# KiCad board Duet3_MB_6HC.kicad_pcb (continued)
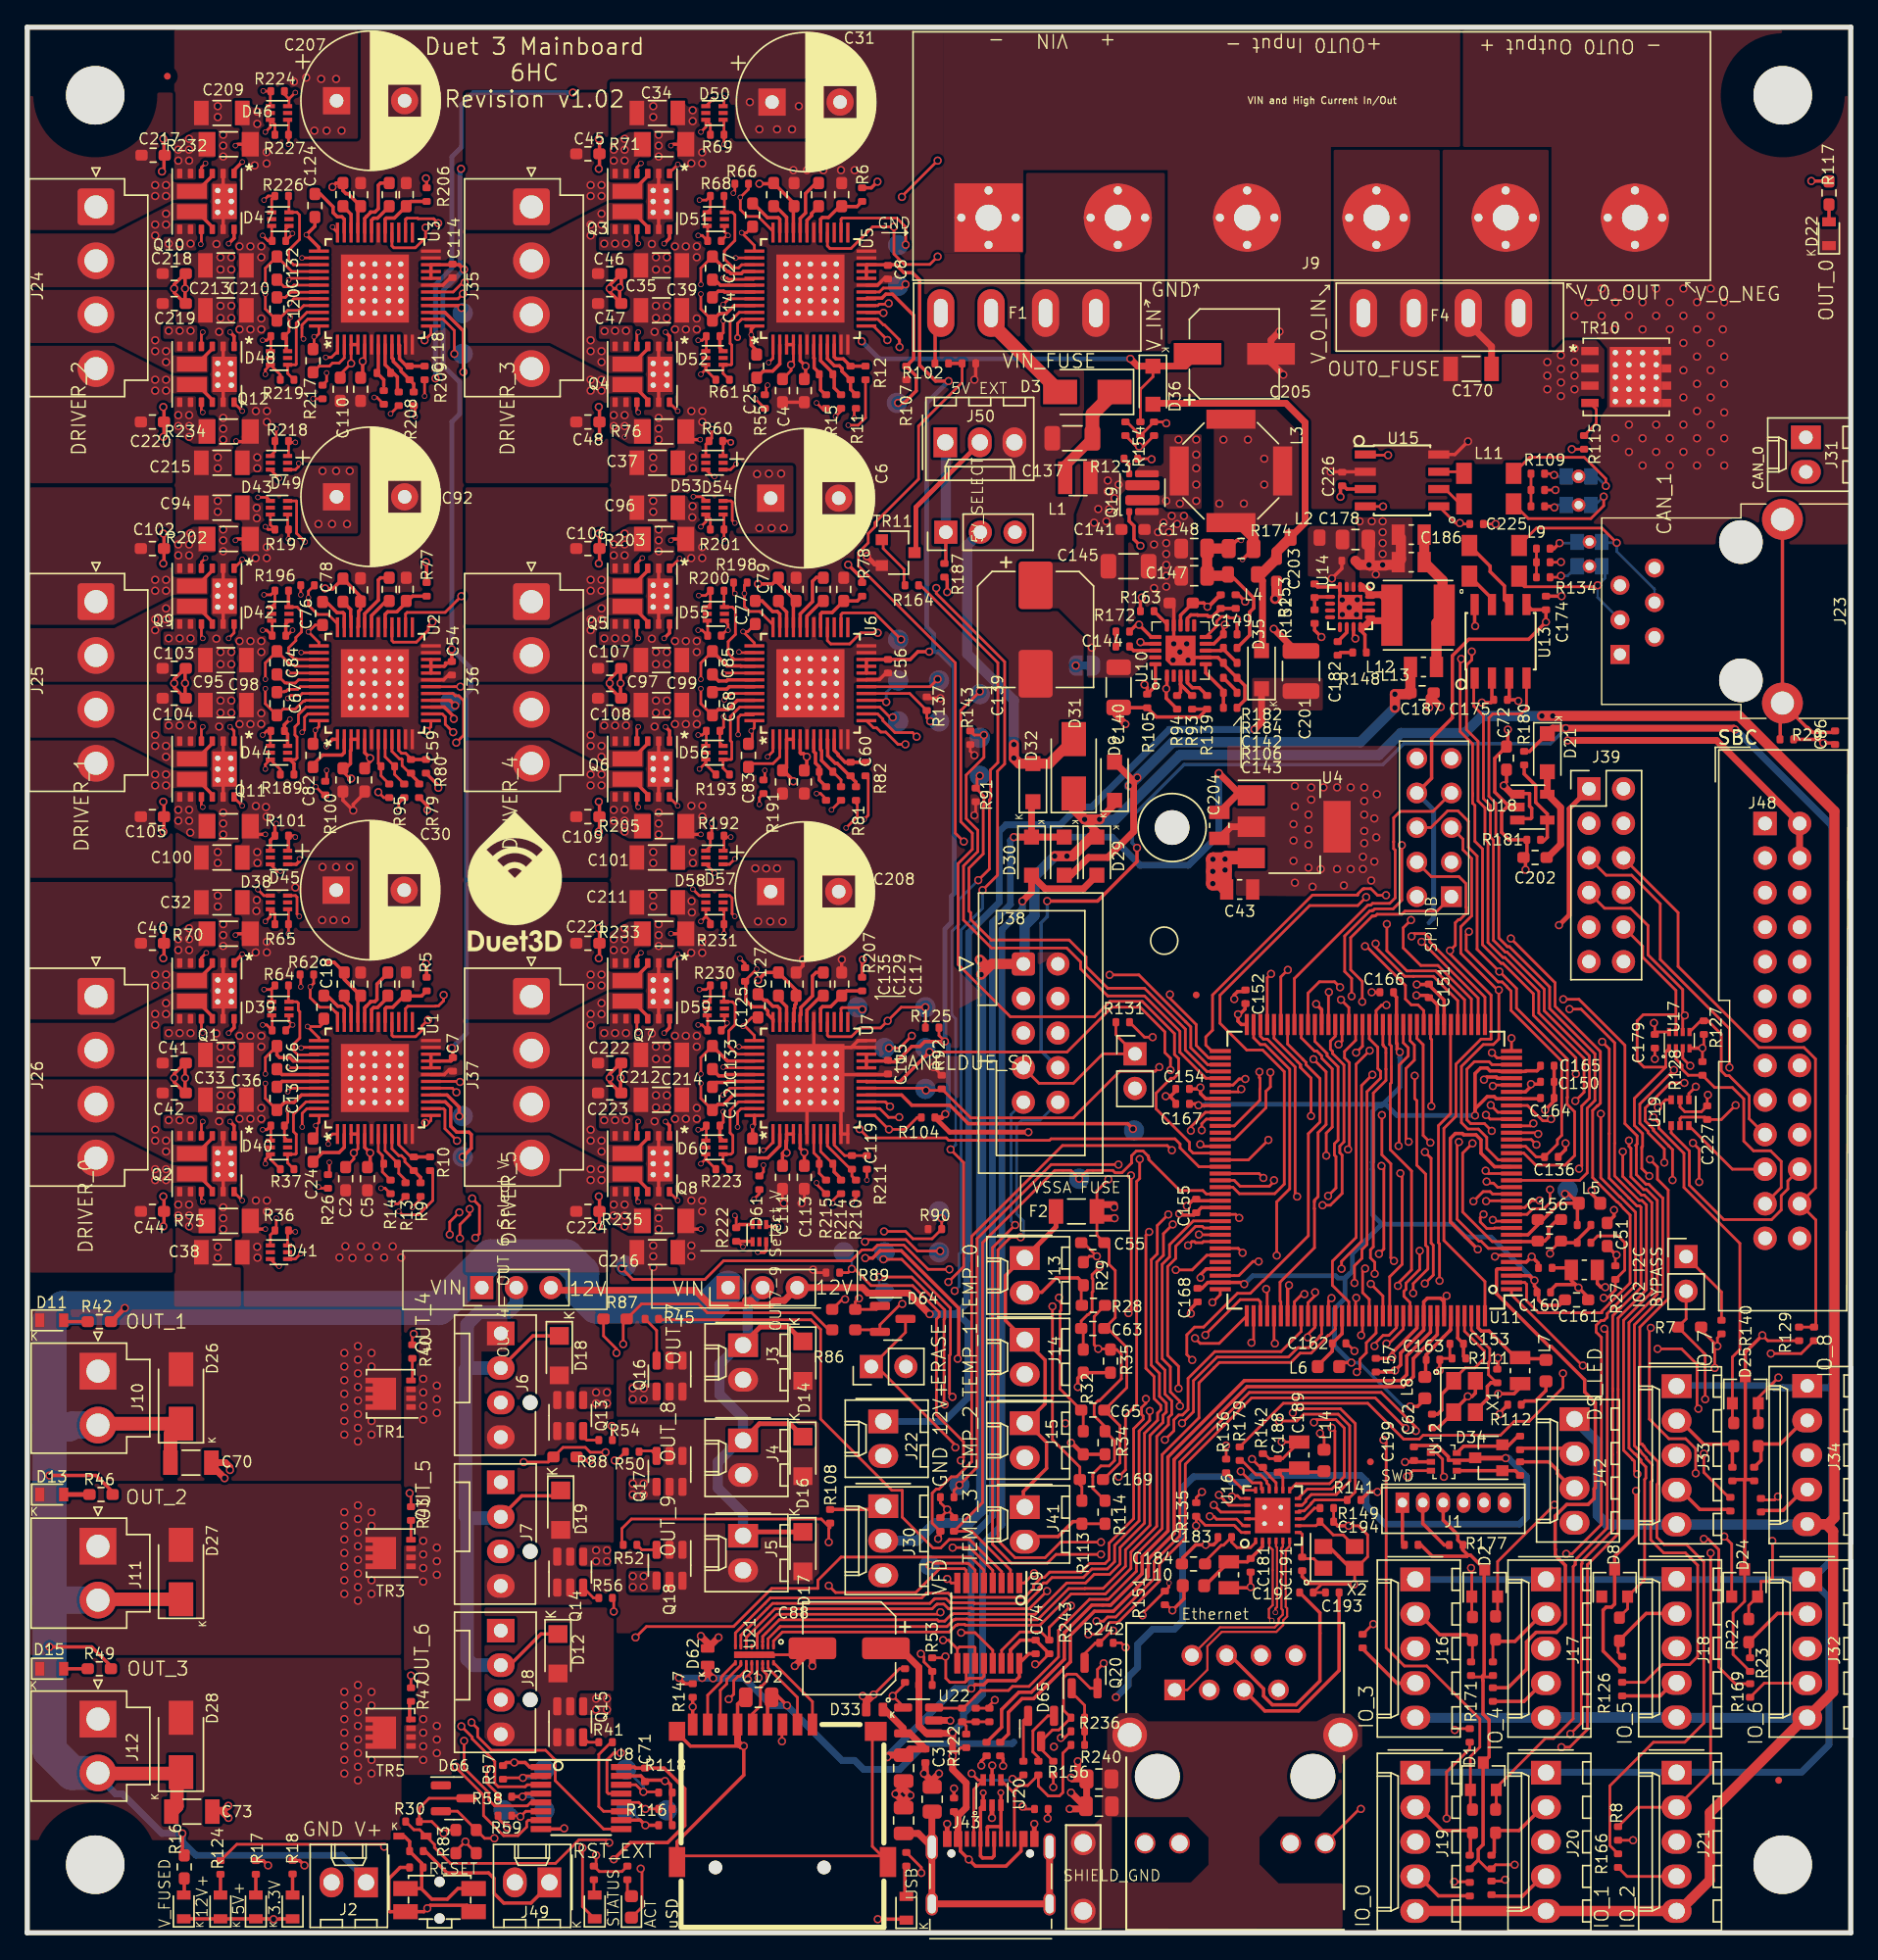
[diagram p0: board, top side]
## Placement (name value [footprint] x y rotation side) (continued)
J17  IO_4  [Wurth_61900511121-1x05_P2.54mm_Vertical(Molex_KK-254_AE-6410-05A_Compatibe)]  111.6 20.88 270 top
J18  IO_5  [Wurth_61900511121-1x05_P2.54mm_Vertical(Molex_KK-254_AE-6410-05A_Compatibe)]  121.2 20.9 270 top
J19  IO_0  [Wurth_61900511121-1x05_P2.54mm_Vertical(Molex_KK-254_AE-6410-05A_Compatibe)]  102 6.68 270 top
J20  IO_1  [Wurth_61900511121-1x05_P2.54mm_Vertical(Molex_KK-254_AE-6410-05A_Compatibe)]  111.6 6.68 270 top
J21  IO_2  [Wurth_61900511121-1x05_P2.54mm_Vertical(Molex_KK-254_AE-6410-05A_Compatibe)]  121.2 6.68 270 top
J22  GND 12V+  [Wurth_61900211121-1x02_P2.54mm_Vertical-(Molex_KK-254_AE-6410-02Acompatible)]  62.9 36.3 270 top
J23  CAN_1  [RJ11_6P6C_half_shield]  125.93 97.1 90 top
J24  DRIVER_2  [JST_VH_B4P-VH_1x04_P3.96mm_Vertical]  5.05 126.8 270 top
J25  DRIVER_1  [JST_VH_B4P-VH_1x04_P3.96mm_Vertical]  5.05 97.8 270 top
J26  DRIVER_0  [JST_VH_B4P-VH_1x04_P3.96mm_Vertical]  5.05 68.8 270 top
J27  uSD_Socket  [uSD_SKT]  55.5 4.8 0 top
J28  SPI_DB  [MAX_TEMP_DB]  103.38 81.2 90 top
J29  OUT7-9 Select V  [PinHeader_1x03_P2.54mm_Vertical]  51.5 47.4 90 top
J30  VFD  [Wurth_61900311121-1x03_P2.54mm_Vertical(Molex_KK-254_AE-6410-03A_Compatible)]  62.9 28.8 270 top
J31  CAN_0  [Wurth_61900211121-1x02_P2.54mm_Vertical-(Molex_KK-254_AE-6410-02Acompatible)#2]  130.7 108.6 270 top
J32  IO_6  [Wurth_61900511121-1x05_P2.54mm_Vertical(Molex_KK-254_AE-6410-05A_Compatibe)]  130.8 20.88 270 top
J33  IO_7  [Wurth_61900511121-1x05_P2.54mm_Vertical(Molex_KK-254_AE-6410-05A_Compatibe)]  121.2 35.08 270 top
J34  IO_8  [Wurth_61900511121-1x05_P2.54mm_Vertical(Molex_KK-254_AE-6410-05A_Compatibe)#2]  130.8 35.1 270 top
J35  DRIVER_3  [JST_VH_B4P-VH_1x04_P3.96mm_Vertical]  37.05 126.8 270 top
J36  DRIVER_4  [JST_VH_B4P-VH_1x04_P3.96mm_Vertical]  37.05 97.8 270 top
J37  DRIVER_5  [JST_VH_B4P-VH_1x04_P3.96mm_Vertical]  37.05 68.8 270 top
J38  PANELDUE_SD  [IDC-Header_2x05_P2.54mm_Vertical]  73.2 71.18 0 top
J39  ESP_DB  [PinHeader_2x06_P2.54mm_Vertical]  114.76 84.05 0 top
J41  TEMP_3  [Wurth_61900211121-1x02_P2.54mm_Vertical-(Molex_KK-254_AE-6410-02Acompatible)]  73.3 30 270 top
J42  DS_LED  [Wurth_61900411121-1x04_P2.54mm_Vertical(Molex_KK-254_AE-6410-04A_Compatible)]  113.7 33.93 270 top
J43  USB  [USB_C_Receptacle_Valcon_CSP-USC16-TR]  70.8 5.82 0 top
J45  SHIELD_GND  [2.8mm_Spade_terminal]  77.6 4.1 180 top
J46  Ethernet  [RJ45+MAG]  88.76 11.49 180 top
J48  SBC  [IDC-Header_2x13_P2.54mm_Vertical]  127.7 81.5 0 top
J49  RST_EXT  [Wurth_61900211121-1x02_P2.54mm_Vertical-(Molex_KK-254_AE-6410-02Acompatible)]  37.1 3.7 180 top
J50  5V EXT  [Wurth_61900311121-1x03_P2.54mm_Vertical(Molex_KK-254_AE-6410-03A_Compatible)]  70 109.5 0 top
J52  OUT 4- OUT 6 Select V  [PinHeader_1x03_P2.54mm_Vertical]  33.4 47.4 90 top
JP1  12V_EN  [SolderJumper-2_P1.3mm_Bridged_RoundedPad1.0x1.5mm]  77.7 93.1 0 bottom
JP2  ERASE  [PinHeader_1x02_P2.54mm_Vertical]  62.03 41.6 90 top
JP3  CAN0_Term_disconnect_H  [SJ_Bridged]  114 107 270 bottom
JP4  PD_CD_OVERRIDE  [PinHeader_1x02_P2.54mm_Vertical]  81.4 64.57 0 top
JP5  IO_2_IN_BYP  [PinHeader_1x02_P2.54mm_Vertical]  121.9 49.68 0 top
JP6  CAN0_Term_disconnect_L  [SJ_Bridged]  114 104.9 270 bottom
JP7  CAN1_Term_disconnect_L  [SJ_Bridged]  114.8 102.19 270 bottom
JP8  CAN1_Term_disconnect_H  [SJ_Bridged]  114.8 100.4 270 bottom
JP9  5V_SELECT  [PinHeader_1x03_P2.54mm_Vertical]  67.5 102.9 90 top
L1  1uH, 2A+  [L_1008_2512Metric]  77.2 106.9 180 top
L2  100 ohm, 4 A  [L_0805_2012Metric]  93.9 102.5 180 top
L3  22u 2.3A  [L_Wuerth_WE-TPC-744071220]  88.45 107.4 270 top
L4  100 ohm, 4 A  [L_0805_2012Metric]  89.3 99.8 180 top
L5  1K @100Mhz  [L_0603_1608Metric]  114.8 53.6 180 top
L6  1K @100Mhz  [L_0603_1608Metric]  95.62 41.6 0 top
L7  1K @100Mhz  [L_0603_1608Metric]  111.6 41.3 270 top
L8  1K @100Mhz  [L_0603_1608Metric]  102.7 40.05 270 top
L9  CM Choke  [Wurth_CM_Choke_1812_744235nnn]  107.8 100.8 0 top
L10  1K @100Mhz  [L_0603_1608Metric]  85.7 25.5 0 top
L11  CM Choke  [Wurth_CM_Choke_1812_744235nnn]  107.4 106.1 0 top
L12  10u  [L_Wuerth_7440405xxxx]  102.2 96.8 180 top
L13  100 ohm, 4 A  [L_0805_2012Metric#2]  102.6 93 0 top
L14  1K @100Mhz  [L_0603_1608Metric]  95.29 34.7 90 top
M1  FID  [Fiducial_0.5mm_Mask1.5mm]  10.3 136.4 0 top
M2  FID  [Fiducial_0.5mm_Mask1.5mm]  98.7 34.6 0 top
M3  FID  [Fiducial_0.5mm_Mask1.5mm]  85.9 68.9 0 top
M4  MOUNTING  [MountingHole_4.3mm_M4]  5 135 0 top
M5  MOUNTING  [MountingHole_4.3mm_M4]  129 135 0 top
M6  MOUNTING  [MountingHole_4.3mm_M4]  5 5 0 top
M7  MOUNTING  [MountingHole_4.3mm_M4]  129 5 0 top
M8  Duet3D_Logo  [LOGO_NEW_Duet3D_vertical_6mm]  94.6 64.5 180 bottom
M9  FID  [Fiducial_0.5mm_Mask1.5mm]  128.7 11.2 0 top
M10  Duet3D_Logo  [LOGO_NEW_Duet3D_vertical_6mm]  35.82 77.23 0 top
M11  CE_LOGO  [CE-Logo_8.5x6mm_SilkScreen]  5.8 77.4 180 bottom
M12  Logo_KICAD  [KiCad-Logo_6mm_SilkScreen]  9.3 106.8 180 bottom
NT1  NT_VSSA  [NetTie-2_SMD_Pad0.5mm]  79.4 53.5 0 top
NT2  NT_VSSA  [NetTie-2_SMD_Pad0.5mm]  79.4 52.5 0 top
NT3  NT_SBG  [NetTie-2_SMD_Pad0.25mm]  17.2 80.7 180 top
NT4  NT_SBG  [NetTie-2_SMD_Pad0.25mm]  15.7 102.4 0 top
NT5  NT_SBG  [NetTie-2_SMD_Pad0.25mm]  15.7 73.4 0 top
NT6  NT_SBG  [NetTie-2_SMD_Pad0.25mm]  47.7 131.4 0 top
NT7  NT_SBG  [NetTie-2_SMD_Pad0.25mm]  17.2 51.7 180 top
NT8  NT_SBG  [NetTie-2_SMD_Pad0.25mm]  49.2 109.7 180 top
NT9  NT_SBG  [NetTie-2_SMD_Pad0.25mm]  47.7 102.4 0 top
NT10  NT_SBG  [NetTie-2_SMD_Pad0.25mm]  49.2 80.7 180 top
NT11  NT_SBG  [NetTie-2_SMD_Pad0.25mm]  47.7 73.4 0 top
NT12  NT_SBG  [NetTie-2_SMD_Pad0.25mm]  15.7 131.4 0 top
NT13  NT_SBG  [NetTie-2_SMD_Pad0.25mm]  49.2 51.7 180 top
NT14  NT_SBG  [NetTie-2_SMD_Pad0.25mm]  15.6 109.55 0 top
NT15  NT_AGND  [NetTie-2_SMD_Pad0.25mm]  86.1 93.7 0 top
Q1  DMHT6016LFJ  [DMHT6016LFJ-13]  13.2 69.2 180 top
Q2  DMHT6016LFJ  [DMHT6016LFJ-13]  13.2 56.5 180 top
Q3  DMHT6016LFJ  [DMHT6016LFJ-13]  45.2 127.2 180 top
Q4  DMHT6016LFJ  [DMHT6016LFJ-13]  45.2 114.5 180 top
Q5  DMHT6016LFJ  [DMHT6016LFJ-13]  45.2 98.2 180 top
Q6  DMHT6016LFJ  [DMHT6016LFJ-13]  45.2 85.5 180 top
Q7  DMHT6016LFJ  [DMHT6016LFJ-13]  45.2 69.2 180 top
Q8  DMHT6016LFJ  [DMHT6016LFJ-13]  45.2 56.5 180 top
Q9  DMHT6016LFJ  [DMHT6016LFJ-13]  13.2 98.2 180 top
Q10  DMHT6016LFJ  [DMHT6016LFJ-13]  13.2 127.2 180 top
Q11  DMHT6016LFJ  [DMHT6016LFJ-13]  13.2 85.5 180 top
Q12  DMHT6016LFJ  [DMHT6016LFJ-13]  13.2 114.5 180 top
Q13  DMN6040SVT  [SOT-23-6]  39.9 38 90 top
Q14  DMN6040SVT  [SOT-23-6]  39.9 26.5 90 top
Q15  DMN6040SVT  [SOT-23-6]  39.9 15.5 90 top
Q16  DMN6040SVT  [SOT-23-6]  47.2 40.9 270 top
Q17  DMN6040SVT  [SOT-23-6]  47.2 33.9 270 top
Q18  DMN6040SVT  [SOT-23-6]  47.2 27 270 top
Q19  DMT6018LDR  [Fairchild_DualPower33-6_3x3mm]  81.95 105.8 90 top
Q20  BC807  [SOT-23#2]  77.7 18.9 90 top
R1  10K 0.2W  [R_0603_1608Metric_Wbry]  106.2 8.2 270 top
R2  27K 0.1W  [R_0402_1005Metric_Wbry]  106 5.2 270 top
R3  10K 0.2W  [R_0603_1608Metric_Wbry]  107.9 8.2 270 top
R4  27K 0.1W  [R_0402_1005Metric_Wbry]  107.6 5.2 270 top
R5  2R2 1%  [R_0402_1005Metric_Wbry]  29.35 69.7 270 top
R6  2R2 1%  [R_0402_1005Metric_Wbry]  61.35 127.7 270 top
R7  10K 0.2W  [R_0603_1608Metric_Wbry]  122.15 44.5 180 top
R8  27K 0.1W  [R_0402_1005Metric_Wbry]  116.9 7.3 270 top
R9  47R 1%  [R_0402_1005Metric_Wbry]  28.9 54.6 270 top
R10  47R 1%  [R_0402_1005Metric_Wbry]  29.6 56.5 270 top
R11  47R 1%  [R_0402_1005Metric_Wbry]  60.9 112.5 270 top
R12  47R 1%  [R_0402_1005Metric_Wbry]  61.6 114.6 270 top
R13  47R 1%  [R_0402_1005Metric_Wbry]  27.8 54.6 270 top
R14  47R 1%  [R_0402_1005Metric_Wbry]  26.7 54.8 270 top
R15  47R 1%  [R_0402_1005Metric_Wbry]  59.8 112.5 270 top
R16  15K 0.2W  [R_0603_1608Metric_Wbry]  11.54 4.84 270 top
R17  2K2  [R_0402_1005Metric_Wbry]  16.8 4.8 270 top
R18  180R  [R_0402_1005Metric_Wbry]  19.5 4.82 270 top
R19  47R 1%  [R_0402_1005Metric_Wbry]  58.7 112.5 270 top
R20  100K  [R_0402_1005Metric_Wbry]  129.3 87.68 0 top
R21  2K2  [R_0402_1005Metric_Wbry]  41.64 4.4 270 top
R22  10K 0.2W  [R_0603_1608Metric_Wbry]  126.5 22.2 270 top
R23  27K 0.1W  [R_0402_1005Metric_Wbry]  126.6 19.7 270 top
R24  10K 0.2W  [R_0603_1608Metric_Wbry]  125.4 36.6 270 top
R25  150R  [R_0402_1005Metric_Wbry]  18.4 59.3 180 top
R26  150R  [R_0402_1005Metric_Wbry]  22.1 55.2 270 top
R27  10K  [R_0402_1005Metric_Wbry]  116.7 48.5 90 top
R28  2K2 0.1% 0.2W+  [R_0603_1608Metric_Wbry]  78.35 46.1 180 top
R29  10K 0.2W  [R_0603_1608Metric_Wbry]  77.61 48.42 90 top
R30  10K  [R_0402_1005Metric_Wbry]  28.31 8.17 0 top
R31  180R  [R_0402_1005Metric_Wbry]  28.6 6 180 top
R32  10K 0.2W  [R_0603_1608Metric_Wbry]  77.6 42 90 top
R33  10K 0.2W  [R_0603_1608Metric_Wbry]  77.6 36 90 top
R34  2K2 0.1% 0.2W+  [R_0603_1608Metric_Wbry]  79.2 36 270 top
R35  2K2 0.1% 0.2W+  [R_0603_1608Metric_Wbry]  79.6 42 270 top
R36  150R  [R_0402_1005Metric_Wbry]  18.7 51.6 180 top
R37  150R  [R_0402_1005Metric_Wbry]  19.1 56.1 180 top
R38  150R  [R_0402_1005Metric_Wbry]  50.4 117.3 180 top
R39  10K  [R_0402_1005Metric_Wbry]  46.9 7.9 180 top
R40  180R  [R_0402_1005Metric_Wbry]  28.3 42.7 90 top
R41  1K  [R_0402_1005Metric_Wbry]  42.5 14 0 top
R42  15K 0.2W  [R_0603_1608Metric_Wbry]  5.3 44.9 0 top
R43  180R  [R_0402_1005Metric_Wbry]  28.2 30.8 90 top
R44  10K  [R_0402_1005Metric_Wbry]  68.1 30 270 top
R45  1K  [R_0402_1005Metric_Wbry]  45.9 45.1 0 top
R46  15K 0.2W  [R_0603_1608Metric_Wbry]  5.43 32.2 0 top
R47  180R  [R_0402_1005Metric_Wbry]  28.2 17.5 90 top
R48  10K  [R_0402_1005Metric_Wbry]  67.6 32 0 top
R49  15K 0.2W  [R_0603_1608Metric_Wbry]  5.3 19.4 0 top
R50  1K  [R_0402_1005Metric_Wbry]  44.46 35.34 180 top
R51  10K  [R_0402_1005Metric_Wbry]  67.1 30 270 top
R52  1K  [R_0402_1005Metric_Wbry]  44.3 28.5 180 top
R53  10K  [R_0402_1005Metric_Wbry]  66.5 19.7 90 top
R54  1K  [R_0402_1005Metric_Wbry]  42.5 36.2 0 top
R55  150R  [R_0402_1005Metric_Wbry]  54.2 112.5 270 top
R56  1K  [R_0402_1005Metric_Wbry]  42.5 24.6 0 top
R57  10K  [R_0402_1005Metric_Wbry]  34.96 11.78 270 top
R58  10K  [R_0402_1005Metric_Wbry]  35.1 10 0 top
R59  10K  [R_0402_1005Metric_Wbry]  35.1 8.6 0 top
R60  150R  [R_0402_1005Metric_Wbry]  50.6 109.6 180 top
R61  150R  [R_0402_1005Metric_Wbry]  51.1 114.1 180 top
R62  150R  [R_0402_1005Metric_Wbry]  20.55 70.4 180 top
R63  150R  [R_0402_1005Metric_Wbry]  18.5 66.3 180 top
R64  150R  [R_0402_1005Metric_Wbry]  18.7 69.6 180 top
R65  150R  [R_0402_1005Metric_Wbry]  18.7 74.1 180 top
R66  150R  [R_0402_1005Metric_Wbry]  52.5 128.5 180 top
R67  150R  [R_0402_1005Metric_Wbry]  50.5 124.3 180 top
R68  150R  [R_0402_1005Metric_Wbry]  50.7 127.6 180 top
R69  150R  [R_0402_1005Metric_Wbry]  50.7 132.1 180 top
R70  0R05 1% 1W  [R_1206_3216Metric_Pad1.24x1.80mm_HandSolder]  14.8 73.4 180 top
R71  0R05 1% 1W  [R_1206_3216Metric_Pad1.24x1.80mm_HandSolder]  46.8 131.4 180 top
R72  27K 0.1W  [R_0402_1005Metric_Wbry]  125.3 33.7 270 top
R73  10K 0.2W  [R_0603_1608Metric_Wbry]  127.2 36.6 270 top
R74  27K 0.1W  [R_0402_1005Metric_Wbry]  126.9 33.7 270 top
R75  0R05 1% 1W  [R_1206_3216Metric_Pad1.24x1.80mm_HandSolder]  14.8 52.3 180 top
R76  0R05 1% 1W  [R_1206_3216Metric_Pad1.24x1.80mm_HandSolder]  46.8 110.3 180 top
R77  2R2 1%  [R_0402_1005Metric_Wbry]  29.35 98.7 270 top
R78  2R2 1%  [R_0402_1005Metric_Wbry]  61.35 98.7 270 top
R79  47R 1%  [R_0402_1005Metric_Wbry]  28.8 83.9 270 top
R80  47R 1%  [R_0402_1005Metric_Wbry]  29.3 85.7 270 top
R81  47R 1%  [R_0402_1005Metric_Wbry]  60.9 83.7 270 top
R82  47R 1%  [R_0402_1005Metric_Wbry]  61.6 85.5 270 top
R83  10K 0.2W  [R_0603_1608Metric_Wbry]  31.5 6.7 90 top
R84  10K 0.2W  [R_0603_1608Metric_Wbry]  33 6.7 90 top
R85  10K 0.2W  [R_0603_1608Metric_Wbry]  60 45.8 0 top
R86  10K 0.2W  [R_0603_1608Metric_Wbry]  60 44.3 0 top
R87  10K 0.2W  [R_0603_1608Metric_Wbry]  43.2 45.1 180 top
R88  10K 0.2W  [R_0603_1608Metric_Wbry]  39.52 34.96 0 top
R89  4K7  [R_0402_1005Metric_Wbry]  59.2 48.5 180 top
R90  4K7  [R_0402_1005Metric_Wbry]  66.7 51.7 180 top
R91  4K7  [R_0402_1005Metric_Wbry]  69.7 83.6 270 top
R92  4K7  [R_0402_1005Metric_Wbry]  67.2 62.5 90 top
R93  0R  [R_0402_1005Metric_Wbry]  85.6 90.4 270 top
R94  0R - DNP  [R_0402_1005Metric_Wbry]  84.5 90.4 90 top
R95  47R 1%  [R_0402_1005Metric_Wbry]  27.7 83.9 270 top
R96  47R 1%  [R_0402_1005Metric_Wbry]  26.6 83.9 270 top
R97  47R 1%  [R_0402_1005Metric_Wbry]  59.8 83.7 270 top
R98  47R 1%  [R_0402_1005Metric_Wbry]  58.7 83.7 270 top
R99  150R  [R_0402_1005Metric_Wbry]  18.4 88.3 180 top
R100  150R  [R_0402_1005Metric_Wbry]  21.9 84.1 270 top
R101  150R  [R_0402_1005Metric_Wbry]  18.7 80.6 180 top
R102  100K  [R_0402_1005Metric_Wbry]  67.2 115.3 0 top
R103  5K1  [R_0402_1005Metric_Wbry]  69.2 115.3 0 top
R104  10K  [R_0402_1005Metric_Wbry]  66.2 59.9 0 top
R105  100K  [R_0402_1005Metric_Wbry]  82.3 90.5 270 top
R106  120K  [R_0402_1005Metric_Wbry]  88.4 91.1 180 top
R107  4K7  [R_0402_1005Metric_Wbry]  64.6 114.6 270 top
R108  150R  [R_0402_1005Metric_Wbry]  59 30.6 90 top
R109  59R  [R_0402_1005Metric_Wbry]  111 107.2 180 top
R110  59R  [R_0402_1005Metric_Wbry]  111 104.8 0 top
R111  5K62  [R_0402_1005Metric_Wbry]  105.2 42.2 0 top
R112  2R2 1%  [R_0402_1005Metric_Wbry]  109.28 38.8 0 top
R113  10K 0.2W  [R_0603_1608Metric_Wbry]  77.5 30.9 90 top
R114  2K2 0.1% 0.2W+  [R_0603_1608Metric_Wbry]  79.2 30.9 270 top
R115  180R  [R_0402_1005Metric_Wbry]  114.4 109.5 270 top
R116  10K  [R_0402_1005Metric_Wbry]  46.9 9.1 180 top
R117  15K 0.2W  [R_0603_1608Metric_Wbry]  132.4 127.83 90 top
R118  10K  [R_0402_1005Metric_Wbry]  46.9 10.3 180 top
R119  47K  [R_0402_1005Metric_Wbry]  70.7 16 90 top
R120  27R 0.1W  [R_0402_1005Metric_Wbry]  71.5 13.5 90 top
R121  27R 0.1W  [R_0402_1005Metric_Wbry]  70.5 13.5 90 top
R122  27K 0.1W  [R_0402_1005Metric_Wbry]  69 14.1 90 top
R123  0R  [R_0402_1005Metric_Wbry]  81.1 108.3 180 top
R124  4K7  [R_0402_1005Metric_Wbry]  14.2 4.8 270 top
R125  10K  [R_0402_1005Metric_Wbry]  66.5 66.5 0 top
R126  470R  [R_0402_1005Metric_Wbry]  117.2 17.9 270 top
R127  27K  [R_0402_1005Metric_Wbry]  123.2 66.5 270 top
R128  27K  [R_0402_1005Metric_Wbry]  123.1 63.5 90 top
R129  27K  [R_0402_1005Metric_Wbry]  130.2 44 90 top
R130  2K2  [R_0402_1005Metric_Wbry]  64.6 5.4 270 top
R131  10K  [R_0402_1005Metric_Wbry]  80.5 66.9 180 top
R132  180R  [R_0402_1005Metric_Wbry]  44.1 4.4 270 top
R133  59R  [R_0402_1005Metric_Wbry]  111.4 101.69 180 top
R134  59R  [R_0402_1005Metric_Wbry]  111.4 99.59 0 top
R135  4K7  [R_0402_1005Metric_Wbry]  85.9 31.1 90 top
R136  1K  [R_0402_1005Metric_Wbry]  88.1 34.3 270 top
R137  4K7  [R_0402_1005Metric_Wbry]  66.1 90.3 90 top
R138  4K7  [R_0402_1005Metric_Wbry]  64.5 18.9 90 top
R139  47K  [R_0402_1005Metric_Wbry]  86.7 90.4 270 top
R140  470R  [R_0402_1005Metric_Wbry]  124.5 44.5 270 top
R141  1K  [R_0402_1005Metric_Wbry]  97.5 31.8 180 top
R142  10K  [R_0402_1005Metric_Wbry]  90.8 34.7 90 top
R143  10K  [R_0402_1005Metric_Wbry]  69.3 87.8 90 top
R144  2K87  [R_0402_1005Metric_Wbry]  74.3 12.1 270 top
R145  0R  [R_0402_1005Metric_Wbry]  88.8 97.8 90 top
R146  0R - DNP  [R_0402_1005Metric_Wbry]  87.7 97.8 90 top
R147  10K  [R_0402_1005Metric_Wbry]  48.9 17.8 90 top
R148  27R 0.1W  [R_0402_1005Metric_Wbry]  97.9 94.06 0 top
R149  6K49  [R_0402_1005Metric_Wbry]  95.5 31.2 0 top
R150  470R  [R_0402_1005Metric_Wbry]  74.52 9.09 0 top
R151  10K  [R_0402_1005Metric_Wbry]  83.6 24.6 90 top
R152  10K  [R_0402_1005Metric_Wbry]  94.6 96.7 90 top
R153  2K2  [R_0402_1005Metric_Wbry]  94.6 98.6 90 top
R154  60K4  [R_0402_1005Metric_Wbry]  81.8 110.5 270 top
R155  4K7  [R_0402_1005Metric_Wbry]  80.7 110.5 270 top
R156  1M  [R_0805_2012Metric]  78.75 11.3 0 top
R157  10K 0.2W  [R_0603_1608Metric_Wbry]  106.2 22.35 270 top
R158  27K 0.1W  [R_0402_1005Metric_Wbry]  106.1 19.4 270 top
R159  10K 0.2W  [R_0603_1608Metric_Wbry]  107.9 22.4 270 top
R160  27K 0.1W  [R_0402_1005Metric_Wbry]  107.7 19.4 270 top
R161  10K 0.2W  [R_0603_1608Metric_Wbry]  117 22.3 270 top
R162  27K 0.1W  [R_0402_1005Metric_Wbry]  117.2 19.8 270 top
R163  0R  [R_0402_1005Metric_Wbry]  82.3 97.1 180 top
R164  1K  [R_0402_1005Metric_Wbry]  65 99 0 top
R165  470R  [R_0402_1005Metric_Wbry]  98.13 21.43 270 top
R166  470R  [R_0402_1005Metric_Wbry]  116.9 5.3 270 top
R167  470R  [R_0402_1005Metric_Wbry]  127.4 31.41 270 top
R168  470R  [R_0402_1005Metric_Wbry]  106 3.2 270 top
R169  470R  [R_0402_1005Metric_Wbry]  126.6 17.8 270 top
R170  470R  [R_0402_1005Metric_Wbry]  107.6 3.3 270 top
R171  470R  [R_0402_1005Metric_Wbry]  107.7 17.5 90 top
R172  10R 0.1W  [R_0402_1005Metric_Wbry]  80.5 95.6 0 top
R173  470R  [R_0402_1005Metric_Wbry]  125.15 31.49 90 top
R174  0R033 0.3W  [R_0805_2012Metric]  89.2 101.7 180 top
R175  15R  [R_0402_1005Metric_Wbry]  114.4 52 0 top
R176  4K7  [R_0402_1005Metric_Wbry]  114.4 50.7 0 top
R177  27K  [R_0402_1005Metric_Wbry]  105 28.49 0 top
R178  27K  [R_0402_1005Metric_Wbry]  101.7 28.5 0 top
R179  27R 0.1W  [R_0402_1005Metric_Wbry]  89.1 35.2 270 top
R180  16K  [R_0402_1005Metric_Wbry]  110 86.3 270 top
R181  5K1  [R_0402_1005Metric_Wbry]  110.7 80.3 180 top
R182  27K  [R_0402_1005Metric_Wbry]  88.4 94.4 180 top
R183  2K87  [R_0402_1005Metric_Wbry]  73.2 12.1 270 top
R184  1K6  [R_0402_1005Metric_Wbry]  88.4 93.3 180 top
R185  470R  [R_0402_1005Metric_Wbry]  109.7 34.1 270 top
R186  470R  [R_0402_1005Metric_Wbry]  109.7 35.99 90 top
R187  220R 0.1.25W+  [R_0402_1005Metric_Wbry]  67.4 100.1 90 top
R188  470R  [R_0402_1005Metric_Wbry]  106 14.5 90 top
R189  150R  [R_0402_1005Metric_Wbry]  19.1 85.1 180 top
R190  150R  [R_0402_1005Metric_Wbry]  50.4 88.3 180 top
R191  150R  [R_0402_1005Metric_Wbry]  54.1 84.2 270 top
R192  150R  [R_0402_1005Metric_Wbry]  50.7 80.6 180 top
R193  150R  [R_0402_1005Metric_Wbry]  51.1 85.1 180 top
R194  150R  [R_0402_1005Metric_Wbry]  20.6 99 180 top
R195  150R  [R_0402_1005Metric_Wbry]  18.5 95.3 180 top
R196  150R  [R_0402_1005Metric_Wbry]  18.7 98.6 180 top
R197  150R  [R_0402_1005Metric_Wbry]  18.7 103.1 180 top
R198  150R  [R_0402_1005Metric_Wbry]  52.4 99.2 180 top
R199  150R  [R_0402_1005Metric_Wbry]  50.5 95.3 180 top
R200  150R  [R_0402_1005Metric_Wbry]  50.7 98.6 180 top
R201  150R  [R_0402_1005Metric_Wbry]  50.7 103.1 180 top
R202  0R05 1% 1W  [R_1206_3216Metric_Pad1.24x1.80mm_HandSolder]  14.8 102.4 180 top
R203  0R05 1% 1W  [R_1206_3216Metric_Pad1.24x1.80mm_HandSolder]  46.8 102.4 180 top
R204  0R05 1% 1W  [R_1206_3216Metric_Pad1.24x1.80mm_HandSolder]  14.8 81.3 180 top
R205  0R05 1% 1W  [R_1206_3216Metric_Pad1.24x1.80mm_HandSolder]  46.8 81.3 180 top
R206  2R2 1%  [R_0402_1005Metric_Wbry]  29.35 127.7 270 top
R207  2R2 1%  [R_0402_1005Metric_Wbry]  61.35 69.7 270 top
R208  47R 1%  [R_0402_1005Metric_Wbry]  28.4 112.7 270 top
R209  47R 1%  [R_0402_1005Metric_Wbry]  29.2 114.6 270 top
R210  47R 1%  [R_0402_1005Metric_Wbry]  60.9 54.8 270 top
R211  47R 1%  [R_0402_1005Metric_Wbry]  61.7 56.6 270 top
R212  47R 1%  [R_0402_1005Metric_Wbry]  27.3 112.7 270 top
R213  47R 1%  [R_0402_1005Metric_Wbry]  26.2 112.8 270 top
R214  47R 1%  [R_0402_1005Metric_Wbry]  59.8 54.8 270 top
R215  47R 1%  [R_0402_1005Metric_Wbry]  58.7 54.8 270 top
R216  150R  [R_0402_1005Metric_Wbry]  18.4 117.3 180 top
R217  150R  [R_0402_1005Metric_Wbry]  21.7 113.2 270 top
R218  150R  [R_0402_1005Metric_Wbry]  18.7 109.6 180 top
R219  150R  [R_0402_1005Metric_Wbry]  19.1 114.1 180 top
R220  150R  [R_0402_1005Metric_Wbry]  50.4 59.3 180 top
R221  150R  [R_0402_1005Metric_Wbry]  53.8 55.1 270 top
R222  150R  [R_0402_1005Metric_Wbry]  52.1 51.3 270 top
R223  150R  [R_0402_1005Metric_Wbry]  51.1 56.1 180 top
R224  150R  [R_0402_1005Metric_Wbry]  18.4 135.3 180 top
R225  150R  [R_0402_1005Metric_Wbry]  18.5 124.3 180 top
R226  150R  [R_0402_1005Metric_Wbry]  18.7 127.6 180 top
R227  150R  [R_0402_1005Metric_Wbry]  18.7 132.1 180 top
R228  150R  [R_0402_1005Metric_Wbry]  52.75 70.4 90 top
R229  150R  [R_0402_1005Metric_Wbry]  50.5 66.3 180 top
R230  150R  [R_0402_1005Metric_Wbry]  50.7 69.6 180 top
R231  150R  [R_0402_1005Metric_Wbry]  50.7 74.1 180 top
R232  0R05 1% 1W  [R_1206_3216Metric_Pad1.24x1.80mm_HandSolder]  14.8 131.4 180 top
R233  0R05 1% 1W  [R_1206_3216Metric_Pad1.24x1.80mm_HandSolder]  46.8 73.4 180 top
R234  0R05 1% 1W  [R_1206_3216Metric_Pad1.24x1.80mm_HandSolder]  14.8 110.3 180 top
R235  0R05 1% 1W  [R_1206_3216Metric_Pad1.24x1.80mm_HandSolder]  46.8 52.3 180 top
R236  15K  [R_0402_1005Metric_Wbry]  77.2 15.8 0 top
R237  1M  [R_0805_2012Metric]  66.5 9.81 90 top
R238  28K7  [R_0402_1005Metric_Wbry]  77.2 14.8 180 top
R239  1K  [R_0402_1005Metric_Wbry]  131.3 44 270 top
R240  28K7  [R_0402_1005Metric_Wbry]  77.2 13.8 180 top
R241  1K  [R_0402_1005Metric_Wbry]  75.4 12.1 270 top
R242  10K  [R_0402_1005Metric_Wbry]  79.3 21.3 0 top
R243  10K  [R_0402_1005Metric_Wbry]  75.1 21 90 top
R244  10K  [R_0402_1005Metric_Wbry]  68.7 16 90 top
R245  470R 0.1W  [R_0402_1005Metric_Wbry]  66 18.2 0 top
S1  RESET  [SW_SIDE_1_lugs]  30.3 2.4 0 top
TP1  D0_STEP  [TestPoint_Pad_D1.5mm]  60 50 90 bottom
TP2  D0_DIR  [TestPoint_Pad_D1.5mm]  63 47 90 bottom
TP3  D0_DIAG0  [TestPoint_Pad_D1.5mm]  63 50 0 bottom
TP4  D1_STEP  [TestPoint_Pad_D1.5mm]  67 53 0 bottom
TP5  D1_DIR  [TestPoint_Pad_D1.5mm]  67 50 0 bottom
TP6  D1_DIAG0  [TestPoint_Pad_D1.5mm]  44 49 0 bottom
TP8  OUT_1  [TestPoint_Pad_D1.5mm]  38 12 0 bottom
TP9  OUT_2  [TestPoint_Pad_D1.5mm]  38 9 0 bottom
TP10  OUT_3  [TestPoint_Pad_D1.5mm]  35 9 0 bottom
TP11  OUT_4  [TestPoint_Pad_D1.5mm]  44 9 0 bottom
TP12  OUT_5  [TestPoint_Pad_D1.5mm]  44 12 0 bottom
TP13  OUT_6  [TestPoint_Pad_D1.5mm]  47 9 0 bottom
TP14  OUT_7  [TestPoint_Pad_D1.5mm]  77.3 55.4 180 bottom
TP15  OUT_8  [TestPoint_Pad_D1.5mm]  68.5 32.9 0 bottom
TP16  OUT_9  [TestPoint_Pad_D1.5mm]  66.3 27 0 bottom
TP17  D2_STEP  [TestPoint_Pad_D1.5mm]  70 85 0 bottom
TP18  D0_SDO  [TestPoint_Pad_D1.5mm]  32 60 0 bottom
TP19  D1_SDO  [TestPoint_Pad_D1.5mm]  31.1 90.45 0 bottom
TP20  D2_SDO  [TestPoint_Pad_D1.5mm]  32 119 0 bottom
TP21  D3_SDO  [TestPoint_Pad_D1.5mm]  64 89 0 bottom
TP22  D4_SDO  [TestPoint_Pad_D1.5mm]  64 92 0 bottom
TP23  D_ENN  [TestPoint_Pad_D1.5mm]  66 68 0 bottom
TP24  D_CS  [TestPoint_Pad_D1.5mm]  63 65 0 bottom
TP25  RXD1  [TestPoint_Pad_D1.5mm]  81.33 58.94 0 bottom
TP26  TXD1  [TestPoint_Pad_D1.5mm]  32 57 0 bottom
TP27  SCK1  [TestPoint_Pad_D1.5mm]  32 116 0 bottom
TP28  D2_DIR  [TestPoint_Pad_D1.5mm]  70 87.8 0 bottom
TP29  D2_DIAG0  [TestPoint_Pad_D1.5mm]  70 91 90 bottom
TP30  D3_STEP  [TestPoint_Pad_D1.5mm]  63.91 112.4 0 bottom
TP31  D3_DIR  [TestPoint_Pad_D1.5mm]  64 121 0 bottom
TP32  D3_DIAG0  [TestPoint_Pad_D1.5mm]  64 124 0 bottom
TP33  D4_STEP  [TestPoint_Pad_D1.5mm]  67 89 0 bottom
TP34  D4_DIR  [TestPoint_Pad_D1.5mm]  67 92 0 bottom
TP35  D4_DIAG0  [TestPoint_Pad_D1.5mm]  64 95 0 bottom
TP36  D5_STEP  [TestPoint_Pad_D1.5mm]  66 62 0 bottom
TP37  D5_DIR  [TestPoint_Pad_D1.5mm]  66 65 0 bottom
TP38  D5_DIAG0  [TestPoint_Pad_D1.5mm]  61 68 0 bottom
TP39  VREFP  [TestPoint_Pad_D1.5mm]  113.2 54.55 0 bottom
TR1  DMN6017SFV  [Diodes_PowerDI3333-8]  26.7 39.6 180 top
TR3  DMN6017SFV  [Diodes_PowerDI3333-8]  26.7 27.9 180 top
TR5  DMN6017SFV  [Diodes_PowerDI3333-8]  26.7 14.7 180 top
TR10  MCACL175N06Y-TP  [POWERDFN_DFN5060]  117.5 114.3 0 top
TR11  AO3400A  [SOT-23_AO3400A]  64 101.4 0 top
U1  TMC2160  [TMC5160-TA]  25.55 62.8 90 top
U2  TMC2160  [TMC5160-TA]  25.55 91.8 90 top
U3  TMC2160  [TMC5160-TA]  25.55 120.8 90 top
U4  AP7361C-33E-13  [SOT-223]  93.1 81.26 0 top
U5  TMC2160  [TMC5160-TA]  57.55 120.8 90 top
U6  TMC2160  [TMC5160-TA]  57.55 91.8 90 top
U7  TMC2160  [TMC5160-TA]  57.55 62.8 90 top
U8  74HCT365  [TSSOP-16_4.4x5mm_P0.65mm]  40.7 9.9 0 top
U9  74HCT365  [TSSOP-16_4.4x5mm_P0.65mm]  70.62 22.75 270 top
U10  MAX25208ATPA_VY+  [MAX25206.7.8ATPA_VY]  84.75 94.2 90 top
U11  ATSAME70Q20B-AN  [LQFP-144_20x20mm_P0.5mm]  98.37 56.03 180 top
U12  74HCT2G34GW,125  [SOT-363]  104.1 34.6 270 top
U13  MCP2542  [SOIC-8_3.9x4.9mm_P1.27mm]  108.26 94.89 90 top
U14  TS30041  [QFN-16-1EP_3x3mm_P0.5mm_EP1.8x1.8mm]  97.21 97.4 270 top
U15  MCP2542  [SOIC-8_3.9x4.9mm_P1.27mm]  101.03 106.71 0 top
U16  KSZ8081RNACA  [KSZ8081RNA _QFN-24-1EP_4x4mm_P0.5mm_EP2.6x2.6mm]  91.52 30.66 90 top
U17  74LVC2G125  [X2-DFN2010-8]  121.4 65.58 90 top
U18  AP2127K-ADJ  [SOT-23-5]  110.6 82.7 0 top
U19  74LVC2G34  [SOT-363_SC-70-6]  121.45 60.25 270 top
U20  RClamp0504FB  [SC-70-6L]  70.9 10.3 90 top
U21  CM1624  [UDFN-16-1EP_1.35x3.3_P0.4_2Oz]  53.44 20.43 270 top
U22  AP22816AKEWT  [SOT-23-5#2]  65.5 15.6 180 top
X1  12Mhz  [Crystal_SMD_ECS-33B-4Pin_3.2x2.5mm]  105.62 39.4 270 top
X2  25Mhz  [Crystal_SMD_ECS-33B-4Pin_3.2x2.5mm]  96.4 27.58 0 top

## Library data of the parts
BC1 = -: Part Number: Walkbury 2D Barcode Target Point
C1 C43 C172 C180 C189 C204 = -: Part Number: LMK212BJ106KG-T
C2 C4-C6 C49 C50 C52 C53 C110-C113 C229 = -: Part Number: EMK107BC6225KA-T
C3 C7 C8 C15 C54 C56 C71 C74 C114 C115 C144 C150-C152 C154 C155 C157 C159 C160 C162-C168 C171 C174 C175 C179 C181-C183 C188 C192 C193 C199 C225-C227 = -: Part Number: CL05A104KP5NNNC
C9 C10 C57 C58 C116 C117 = -: Part Number: CL10B474KO8NNNC
C11 C12 C16 C17 C59 C60 C69 C75 C118 C119 C122 C123 = -: Part Number: GCM155R71H222KA37D
C13 C14 C18 C19 C24-C27 C67 C68 C76 C77 C82-C85 C120 C121 C124 C125 C130-C133 = -: Part Number: CL10B224KO8NNNC
C20 C21 C28 C29 C78 C79 C87 C91 C126 C127 C134 C135 C141 = -: Part Number: HMK107B7104MA-T or similar
C22 C23 C80 C81 C128 C129 = -: Part Number: C0603C223K1RACTU
C30 C31 C92 C93 C207 C208 = -: Part Number: 860010775018
C32-C39 C94-C101 C209-C216 = -: Part Number: C3216X7R2A224K115AA
C40-C42 C44-C48 C102-C109 C217-C224 = -: Part Number: CGA3E2X7R2A102K080AA
C51 C55 C63 C65 C169 C184 C200 = -: Part Number: JMK107BJ225KA-T
C61 C158 = -: Part Number: CL21A475KOFNNNE
C62 C66 C153 = -: Part Number: C0402C100J5GACTU
C64 C136 C149 C206 = -: Part Number: C0402C103K8RAC7867
C70 C73 C170 = -: Part Number: CL31A106KBHNNNE
C72 C156 C161 C187 C202 = -: Part Number: CL10A105KO8NNNC
C86 C177 C190 = -: Part Number: GMC10X5R472M100NT
C88 C205 = -: Part Number: 865080545012 (16V version can be used)
C137 C140 C145 = -: Part Number: GRM31CC72A475KE11L
C139 = -: Part Number: UUR1J470MNL1GS or equivalent 865080753013 or 865060753005
C142 = -: Part Number: can use GCM155R71H222KA37D
C143 = -: Part Number: TBC if fitted, 10p-22p
C147 C148 = -: Part Number: GRM21BR61E226ME44L
C173 C195 = -: Part Number: CC0805KRX7RCBB102
C176 = -: Part Number: CL05B104KO5NNNC
C178 = -: Part Number: CL21A106KOCLRNC
C185 C186 = -: Part Number: CL21A226MOQNNNE
C191 C194 = -: Part Number: C0402C220J4GACTU
C201 = -: Part Number: CL32B225KCJSNNE
C203 = -: Part Number: GMK107BJ105KAHT
D1 D2 D8 D24 D25 D34 D64-D66 = -: Part Number: BAT54CLT1G
D3 D26-D28 D31 = -: Part Number: CDBA360-HF, VSSA310SHM3_A/H
D4 = -: Part Number: 150060BS75000  or equivalent Blue
D5 = -: Part Number: 150060RS75000 or equivalent Red; Field5: K
D6 D63 = -: Part Number: 150060VS75000  or equivalent Green
D7 D11 D13 D15 D22 D23 = -: Part Number: 150060RS75000 or equivalent Red
D9 D29 D35 = -: Part Number: DSS16UTR
D10 D21 D30 D32 D36 = -: Part Number: DSS14UTR or RB162MM-40TR or similar (can also use DSS16UTR )
D12 D14 D16-D19 = -: Part Number: VS-1EFH02HM3/I or equivalent
D33 = -: Part Number: 824032815 or 824031815
D37 = -: Part Number: 150060AS75000 or equivalent Amber
D38-D61 = -: Part Number: BAT40V-7
D62 = -: Part Number: 824032813
F1 = -: Part Number: MCCQ-122 - 15A fitted
F2 = -: Part Number: 0ZCJ0020FF2E
F4 = -: Part Number: MCCQ-122 - 15A Fitted
G1 = -: Part Number: DNP Virtual Component
J1 = -: Part Number: B6B-ZR(LF)(SN) or 64800611622
J2-J5 J13-J15 J22 J31 J41 J49 = -: Part Number: 61900211121
J6-J8 = -: Part Number: Molex 254 47053
J9 = -: Part Number: HB950-9.50-6P
J10-J12 = -: Part Number: VH396-02-S010
J16-J21 J32-J34 = -: Part Number: 61900511121
J23 = -: Part Number: Wurth 615 006 143 421 or equivalent
J24-J26 J35-J37 = -: Part Number: VH396-04-S010
J27 = -: Part Number: 693071020811
J28 = -: Part Number: THD-05-R; Field5: <10mm max height
J29 = -: Part Number: THS-03-R - Jumper fitted to VIN Side
J30 J50 = -: Part Number: 61900311121
J38 = -: Part Number: 61201021621
J39 = -: Part Number: THD-06-R
J42 = -: Part Number: 61900411121
J43 = -: Part Number: CSP-USC16-TR
J45 = -: Part Number: PC110D5
J46 = -: Part Number: HR911105A
J48 = -: Part Number: 612 026 216 21
J52 = -: Part Number: THS-03-R - Jumper fitted to 12V side
JP1 M1-M12 NT1-NT15 TP1-TP6 TP8-TP39 = -: Part Number: Virtual Component DNP
JP2 JP4 JP5 = -: Part Number: THS-02-R - Jumper not fitted
JP3 JP6-JP8 = -: Part Number: Virtual Component - DNP
JP9 = -: Part Number: THS-03-R - Jumper fitted to EXT 5V side
L1 = -: Part Number: BDCD002520121R0MS1 alternative: SRN2512-1R0M
L2 L4 L13 = -: Part Number: MPZ2012S101A or similar
L3 = -: Part Number: 744071220
L5-L8 L10 L14 = -: Part Number: BK1608HS102-T or PE-0603FB102ST or similar
L9 L11 = -: Part Number: 744235110
L12 = -: Part Number: 74404054100 or similar 10u
Q9 = -: Field5: 0.189in/4.801mm; Field6: 0.034in/0.864mm; Field7: 0.012in/0.305mm; Field8: Copyright 2021 Accelerated Designs. All rights reserved.; Field9: 0.169in/4.293mm; Field10: 0.031in/0.8mm
Q11 = -: Field5: 0.034in/0.864mm; Field6: 0.031in/0.8mm; Field7: 0.169in/4.293mm; Field8: 0.189in/4.801mm; Field9: Copyright 2021 Accelerated Designs. All rights reserved.; Field10: 0.012in/0.305mm
Q20 = -: Part Number: BC807-25LT1G
R1 R3 R7 R22 R24 R29 R32 R33 R73 R83-R88 R113 R157 R159 R161 R243 = -: Part Number: ESR03EZPF1002
R2 R4 R8 R23 R72 R74 R122 R158 R160 R162 = -: Part Number: ERJ-2RKF2702X
R5 R6 R77 R78 R112 R206 R207 = -: Part Number: RMCF0402FT2R20
R9-R15 R19 R79-R82 R95-R98 R208-R215 = -: Part Number: RMCF0402FT47R0
R16 = -: Part Number: RCC060315K0FKEA; Rating: 0.2W
R17 R21 R130 R153 = -: Part Number: RK73H1ETTP2201F
R18 R31 R40 R43 R47 R115 R132 = -: Part Number: RMCF0402FT180R
R20 R102 R105 = -: Part Number: RMCF0402FT100K
R25 R26 R36-R38 R55 R60-R69 R99-R101 R108 R189-R201 R216-R231 = -: Part Number: RMCF0402FT150R
R27 R30 R39 R44 R48 R51 R53 R57-R59 R104 R116 R118 R125 R131 R142 R143 R147 R151 R242 R244 = -: Part Number: RMCS0402FT10K0
R28 R34 R35 R114 = -: Part Number: ERJ-PB3B2201V
R41 R45 R50 R52 R54 R56 R136 R141 R164 R239 R241 = -: Part Number: RK73H1ETTP1001F
R42 R46 R49 R117 = -: Part Number: RCC060315K0FKEA
R70 R71 R75 R76 R202-R205 R232-R235 = -: Part Number: ERJ-8CWFR050V
R89-R92 R107 R124 R135 R137 R138 R155 R176 = -: Part Number: RK73H1ETTP4701F
R93 R123 R145 R163 = -: Part Number: RMCF0402ZT0R00
R94 R146 = -: Part Number: DNP
R103 R181 = -: Part Number: RMCF0402FT5K10
R106 = -: Part Number: RMCF0402FT120K
R109 R110 R133 R134 = -: Part Number: RMCF0402FT59R0
R111 = -: Part Number: RMCF0402FT5K62
R119 R139 = -: Part Number: RC0402FR-1347KL
R120 R121 R148 R172 R179 = -: Part Number: ERJ-U02F10R0X
R126 R140 R150 R165-R171 R173 R185 R186 R188 R245 = -: Part Number: ERJ-2RKF4700X
R127-R129 R177 R178 = -: Part Number: RK73H1ETTP2702F
R144 R183 = -: Part Number: RMCF0402FT2K87
R149 = -: Part Number: RMCF0402FT6K49
R152 = -: Part Number: RMCF0402FT10K0
R154 = -: Part Number: RMCF0402FT60K4
R156 R237 = -: Part Number: RMCF0805JT1M00
R174 = -: Part Number: UR73VD2ATTD33L0F, ERJ-6BWFR033V
R175 = -: Part Number: RMCF0402FT15R0
R180 = -: Part Number: RMCF0402FT16K0
R182 = -: Part Number: RMCF0402FT27K0
R184 = -: Part Number: RMCF0402FT1K60
R187 = -: Part Number: RMCP0402FT220R
R236 = -: Part Number: RMCS0402FT15K0
R238 R240 = -: Part Number: RMCF0402FT28K7
S1 = -: Part Number: LY-A03-02A
TR10 = -: Part Number: DMT6017LFV
TR11 = -: Part Number: AO3400A or similar (PMV20XNER, PMV40UN2)
U1-U3 U5-U7 = -: Part Number: TMC2160A-TA
U8 U9 = -: Part Number: MC74HCT365ADTR2G
U10 = -: Part Number: MAX25206ATPA_VY+,MAX25207ATPA_VY+,MAX25208ATPA_VY+ (Note the changes to DNP resistors on the schematics)
U13 = -: Part Number: MCP2542FD or WFD
U14 = -: Part Number: TS30041-M000QFNR; Rating: Adj (set to 12V) 1A
U15 = -: Part Number: MCP2542FD-E/SN
U16 = -: Part Number: KSZ8081RNACA (same as on the v0.6)
U17 = -: Part Number: 74LVC2G125HD4-7
U18 = -: Part Number: AP2127K-ADJTRG1
U19 = -: Part Number: 74LVC2G34GW,125
U21 = -: Part Number: CM1624−08DE
